# Altium PCB XMOS_TSBOARD.PcbDoc (part 3 of 3)
Units mil, origin at the board's own origin, x right, y up, seen from the top; angles counter-clockwise.
Board outline 7212.32 x 3175.44 mil, 4 copper layers (Top Layer, Ground Layer, Power Layer, Bottom Layer), stack 62.502 mil thick; 361 components, 214 nets, 1129 pads, 632 vias.
Unrouted connection lines stored in the file: 5.
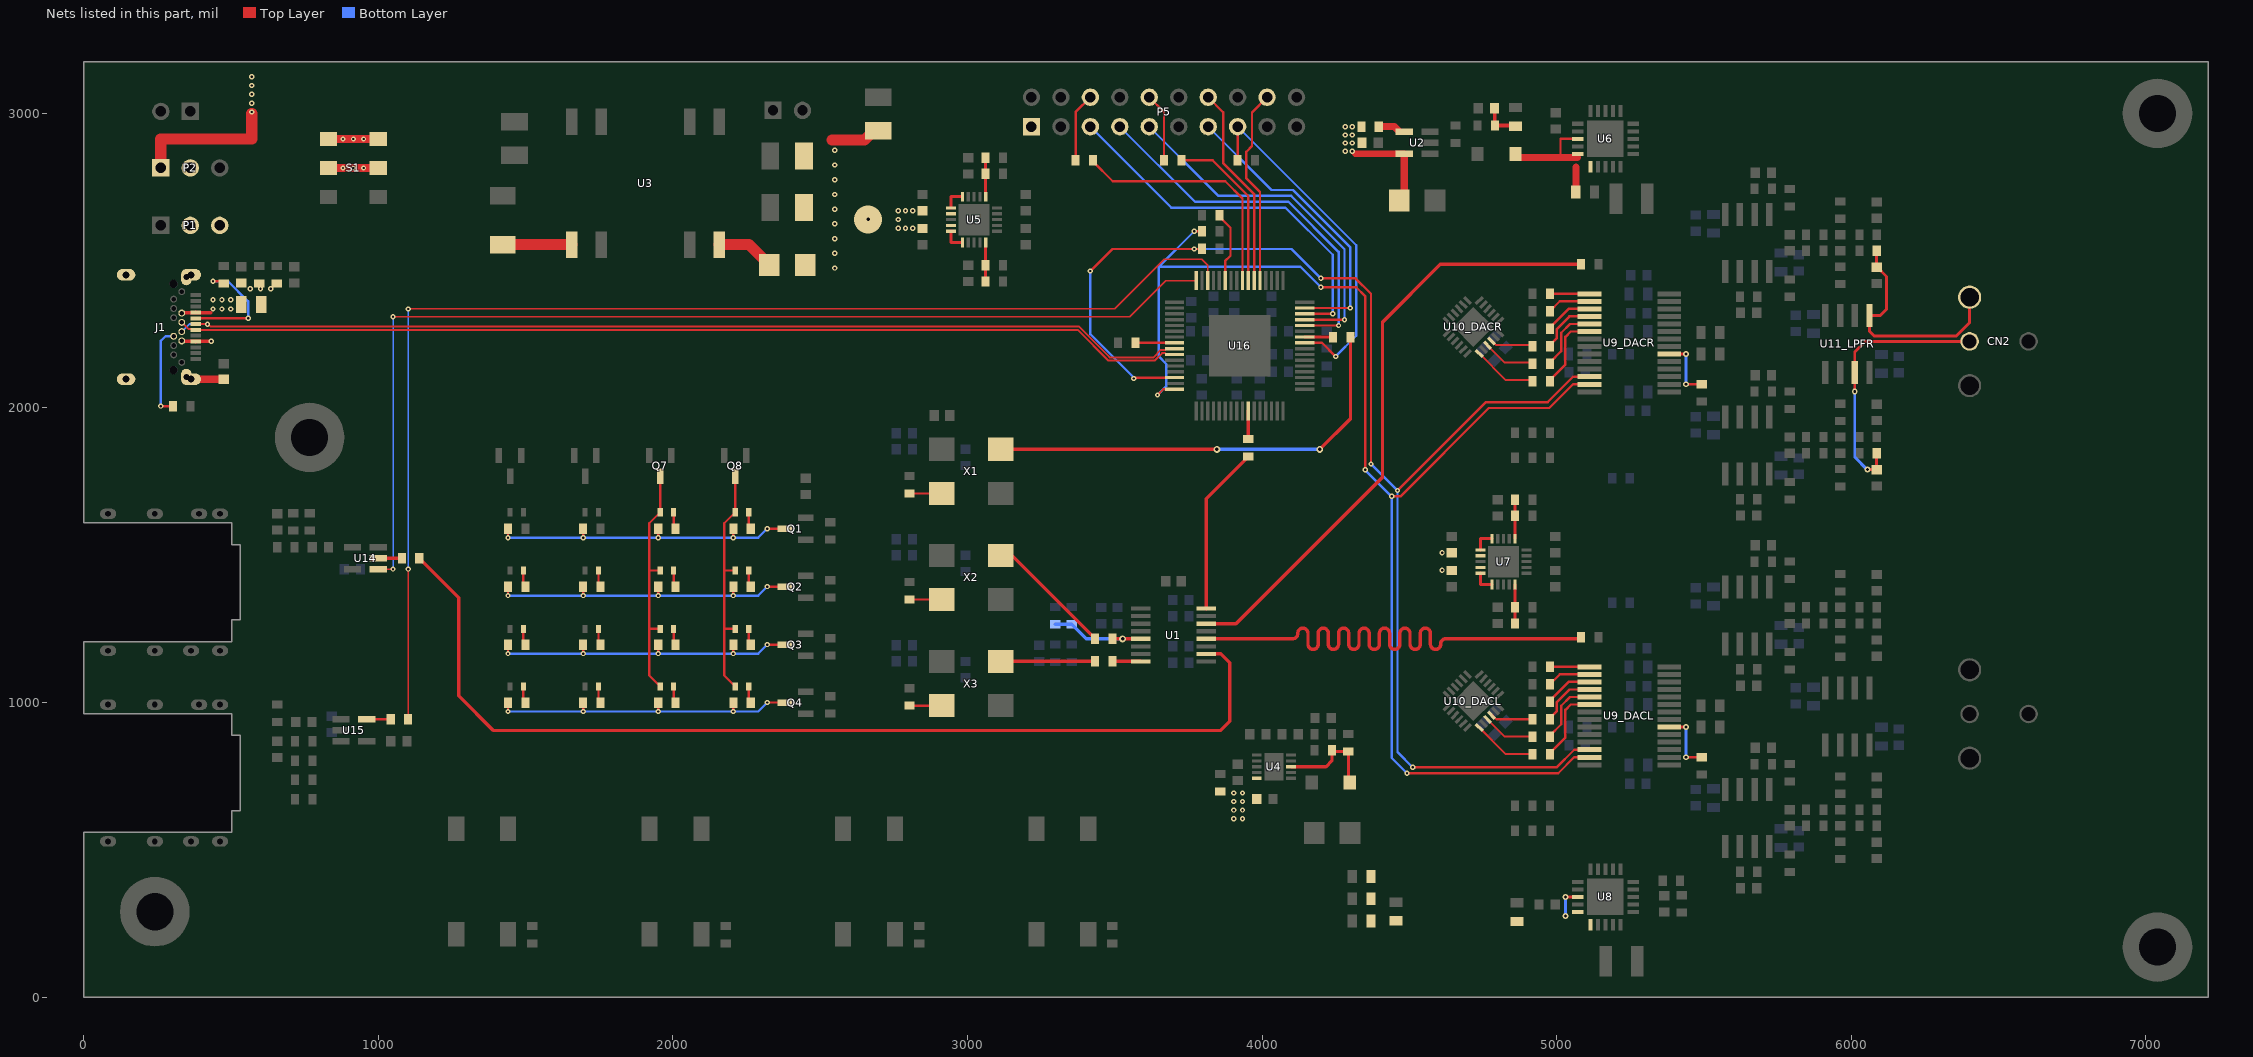
[diagram p5: the nets of this part, all layers, seen from the top]

## Via types
v1: diameter 18, hole 8, Top Layer to Bottom Layer, tented both sides, 573 vias
v2: diameter 20, hole 10, Top Layer to Bottom Layer, tented both sides, 28 vias
v3: diameter 0/95 (per signal layer), hole 12, Top Layer to Bottom Layer, tented top, 7 vias

## Nets (pads, with @x,y where several pads share a name; then routed paths per layer and width w, separated by ;. In a path a pad name is that pad's centre, name@x,y a point inside that pad or via, vN(x,y) a via of type N, cw(c..) or ccw(c..) an arc to the next point about the centre after c; other vN are vias at no path point) (continued)
NetD5_1: D5.1 D9.1 D13.1 D17.1 Q7.3 | length 819.7
  Top Layer w8: D17.1@1957.02,1054.65 1919.52,1092.15 1919.52,1250 ; D13.1@1957.02,1250.02 1919.54,1250.02 ; D9.1@1957.02,1448.27 1919.52,1448.27 ; Q7.3@1957.02,1768.25 D5.1@1957.02,1646.3 1919.52,1608.8 1919.52,1448.27 ; 1919.52,1250 1919.52,1448.27
NetD5_2: D5.2 R35.2 | length 49
  Top Layer w8: R35.2@2002.6,1597.33 D5.2@2002.6,1646.3
NetD6_1: D6.1 D10.1 D14.1 D18.1 Q8.3 | length 819.7
  Top Layer w8: 2174.5,1250.02 D14.1@2211.98,1250.02 ; D18.1@2211.98,1054.65 2174.48,1092.15 2174.48,1250 2174.48,1448.27 ; D10.1@2211.98,1448.27 2174.48,1448.27 ; Q8.3@2211.98,1768.25 D6.1@2211.98,1646.3 2174.48,1608.8 2174.48,1448.27
NetD6_2: D6.2 R36.2 | length 49
  Top Layer w8: R36.2@2257.6,1597.33 D6.2@2257.6,1646.3
NetD7_2: D7.2 R39.2 | length 49
  Top Layer w8: R39.2@1492.6,1400.48 D7.2@1492.6,1449.45
NetD8_2: D8.2 R40.2 | length 49
  Top Layer w8: R40.2@1747.6,1400.48 D8.2@1747.6,1449.45
NetD9_2: D9.2 R41.2 | length 49
  Top Layer w8: R41.2@2002.6,1400.48 D9.2@2002.6,1449.45
NetD10_2: D10.2 R42.2 | length 49
  Top Layer w8: R42.2@2257.6,1400.48 D10.2@2257.6,1449.45
NetD11_2: D11.2 R46.2 | length 49
  Top Layer w8: R46.2@1492.6,1203.63 D11.2@1492.6,1252.6
NetD12_2: D12.2 R47.2 | length 49
  Top Layer w8: R47.2@1747.6,1203.63 D12.2@1747.6,1252.6
NetD13_2: D13.2 R48.2 | length 49
  Top Layer w8: R48.2@2002.6,1203.63 D13.2@2002.6,1252.6
NetD14_2: D14.2 R49.2 | length 49
  Top Layer w8: R49.2@2257.6,1203.63 D14.2@2257.6,1252.6
NetD15_2: D15.2 R51.2 | length 49
  Top Layer w8: R51.2@1492.6,1006.78 D15.2@1492.6,1055.75
NetD16_2: D16.2 R52.2 | length 49
  Top Layer w8: R52.2@1747.6,1006.78 D16.2@1747.6,1055.75
NetD17_2: D17.2 R53.2 | length 49
  Top Layer w8: R53.2@2002.6,1006.78 D17.2@2002.6,1055.75
NetD18_2: D18.2 R54.2 | length 49
  Top Layer w8: R54.2@2257.6,1006.78 D18.2@2257.6,1055.75
NetFB4_2: FB4.2 J1.A4 J1.A9 J1.B4 J1.B9 | length 200.6
  Top Layer w12: J1.B4@332.68,2227.72 333.76,2226.64 379.23,2226.64 J1.A9@380.12,2225.75 381.01,2226.64 v1(432.32,2226.64) ; J1.B9@332.68,2322.2 333.76,2323.28 379.23,2323.28 J1.A4@380.12,2324.17 381.01,2323.28 431.24,2323.28
  other v1: 439,2336.22 469,2336.22 499,2336.22 439,2367 469,2367 499,2367
NetFB5_2: FB5.2 J1.SH1 J1.SH2 J1.SH3 J1.SH4 J1.SH5 J1.SH6 | length 110.7
  Top Layer w26: J1.SH6@364.37,2097.8 FB5.2@475.12,2097.8
NetJ1_A5: J1.A5 R98.1 | length 421.8
  Top Layer w8: J1.A5@380.12,2304.49 v1(558.03,2304.49) ; v1(439,2430) 467.72,2430 R98.1@475.12,2422.6
  Bottom Layer w8: v1(439,2430) 490,2430 558.03,2361.97 v1(558.03,2304.49)
NetJ1_B5: J1.B5 R99.1 | length 312.8
  Top Layer w8: v1(261.61,2006.46) R99.1@303.15,2006.46
  Bottom Layer w8: v1(261.61,2006.46) 261.61,2227.72 277.36,2243.46 J1.B5@305.12,2243.46
NetL2_1: L2.1 U3.1 | length 234.6
  Top Layer w38: L2.1@1422.36,2554.59 U3.1@1656.94,2554.59
NetL3_2: L3.2 U3.6 | length 200.4
  Top Layer w38: U3.6@2156.94,2554.59 2257.74,2554.59 2308.92,2503.4 2310.89,2503.4 2327.32,2486.97 L3.2@2327.32,2485
NetP1_2: P1.2 S1.2 | length 169.3
  Top Layer w26: S1.2@830.79,2815 S1.2@1000.08,2815
  other v1: 880,2815 915.43,2815 950,2815
NetP2_2: P2.2 S1.3 | length 169.3
  Top Layer w26: S1.3@830.79,2913.43 S1.3@1000.08,2913.43
  other v1: 880,2913.43 915.43,2913.43 950,2913.43
NetQ1_3: Q1.3 R33.1 R34.1 R35.1 R36.1 | length 1075.4
  Top Layer w8: v1(1440.32,1560) R33.1@1440.32,1590.55 ; v1(1695.32,1560) R34.1@1695.32,1590.55 ; v1(1950.32,1560) R35.1@1950.32,1590.55 ; v1(2205.32,1560) R36.1@2205.32,1590.55 ; v1(2320.55,1590.55) Q1.3@2380.85,1590.55
  Bottom Layer w8: v1(1440.32,1560) 2290,1560 v1(2320.55,1590.55)
NetQ2_3: Q2.3 R39.1 R40.1 R41.1 R42.1 | length 1075.4
  Top Layer w8: v1(1440.32,1363.15) R39.1@1440.32,1393.7 ; v1(1695.32,1363.15) R40.1@1695.32,1393.7 ; v1(1950.32,1363.15) R41.1@1950.32,1393.7 ; v1(2205.32,1363.15) R42.1@2205.32,1393.7 ; v1(2320.55,1393.7) Q2.3@2380.85,1393.7
  Bottom Layer w8: v1(1440.32,1363.15) 2290,1363.15 v1(2320.55,1393.7)
NetQ3_3: Q3.3 R46.1 R47.1 R48.1 R49.1 | length 1075.4
  Top Layer w8: v1(1440.32,1166.3) R46.1@1440.32,1196.85 ; v1(1695.32,1166.3) R47.1@1695.32,1196.85 ; v1(1950.32,1166.3) R48.1@1950.32,1196.85 ; v1(2205.32,1166.3) R49.1@2205.32,1196.85 ; v1(2320.55,1196.85) Q3.3@2380.85,1196.85
  Bottom Layer w8: v1(1440.32,1166.3) 2290,1166.3 v1(2320.55,1196.85)
NetQ4_3: Q4.3 R51.1 R52.1 R53.1 R54.1 | length 1075.4
  Top Layer w8: v1(1440.32,969.45) R51.1@1440.32,1000 ; v1(1695.32,969.45) R52.1@1695.32,1000 ; v1(1950.32,969.45) R53.1@1950.32,1000 ; v1(2205.32,969.45) R54.1@2205.32,1000 ; v1(2320.55,1000) Q4.3@2380.85,1000
  Bottom Layer w8: v1(1440.32,969.45) 2290,969.45 v1(2320.55,1000)
NetR1_1: R1.1 X1.1 | length 110
  Top Layer w8: R1.1@2803.35,1709.7 X1.1@2913.35,1709.7
NetR2_2: R2.2 X1.3 | length 1507.1
  Top Layer w11.55: X1.3@3113.35,1859.7 v7(3847,1859.7) ; v7(4196,1859.7) 4300.35,1964.06 R2.2@4300.35,2240.9
  Bottom Layer w11.55: v7(3847,1859.7) v7(4196,1859.7)
NetR3_1: R3.1 X2.1 | length 110
  Top Layer w8: R3.1@2803.35,1349.7 X2.1@2913.35,1349.7
NetR4_2: R4.2 R8.1 R11.1 U1.5 | length 344.3
  Top Layer w11.55: R8.1@3492.46,1216.47 v7(3526.53,1216.47) U1.5@3588.46,1216.47
  Bottom Layer w11.55: R4.2@3298.66,1265.69 R11.1@3353.66,1265.69 3402.87,1216.47 v7(3526.53,1216.47)
NetR6_2: R6.2 U1.16 | length 575.5
  Top Layer w11.55: U1.16@3810.46,1318.83 3810.46,1691.95 R6.2@3953.58,1835.07
NetR7_2: R7.2 U1.14 | length 2086.1
  Top Layer w11.55: U1.14@3810.46,1267.65 3911.65,1267.65 4409,1765 4409,2291.56 4605.12,2487.68 R7.2@5082.8,2487.68
NetR8_2: R8.2 X2.3 | length 437.4
  Top Layer w11.55: X2.3@3113.35,1499.7 3150.18,1499.7 R8.2@3433.4,1216.47
NetR9_2: R9.2 U1.12 | length 2059.3
  Top Layer w11.55: U1.12@3810.46,1216.47 4104,1216.47 ccw(c4104,1233.8) 4121.33,1233.8 4121.33,1235.15 cw(c4138.65,1235.15) 4138.65,1252.47 cw(c4138.65,1235.15) 4155.98,1235.15 4155.98,1216.47 4155.98,1197.8 ccw(c4173.3,1197.8) 4173.3,1180.47 ccw(c4173.3,1197.8) 4190.62,1197.8 4190.62,1216.47 4190.62,1235.15 cw(c4207.95,1235.15) 4207.95,1252.47 cw(c4207.95,1235.15) 4225.28,1235.15 4225.27,1216.47 4225.27,1197.8 ccw(c4242.6,1197.8) 4242.6,1180.47 ccw(c4242.6,1197.8) 4259.93,1197.8 4259.92,1216.47 4259.92,1235.15 cw(c4277.25,1235.15) 4277.25,1252.47 cw(c4277.25,1235.15) 4294.58,1235.15 4294.58,1216.47 4294.58,1197.8 ccw(c4311.9,1197.8) 4311.9,1180.47 ccw(c4311.9,1197.8) 4329.23,1197.8 4329.23,1216.47 4329.23,1235.15 cw(c4346.55,1235.15) 4346.55,1252.47 cw(c4346.55,1235.15) 4363.88,1235.15 4363.88,1216.47 4363.88,1197.8 ccw(c4381.2,1197.8) 4381.2,1180.47 ccw(c4381.2,1197.8) 4398.53,1197.8 4398.52,1216.47 4398.52,1235.15 cw(c4415.85,1235.15) 4415.85,1252.47 cw(c4415.85,1235.15) 4433.18,1235.15 4433.17,1216.47 4433.17,1197.8 ccw(c4450.5,1197.8) 4450.5,1180.47 ccw(c4450.5,1197.8) 4467.83,1197.8 4467.83,1216.47 4467.83,1235.15 cw(c4485.15,1235.15) 4485.15,1252.47 cw(c4485.15,1235.15) 4502.48,1235.15 4502.48,1216.47 4502.48,1197.8 ccw(c4519.8,1197.8) 4519.8,1180.47 ccw(c4519.8,1197.8) 4537.12,1197.8 4537.12,1216.47 4537.12,1235.15 cw(c4554.45,1235.15) 4554.45,1252.47 cw(c4554.45,1235.15) 4571.78,1235.15 4571.77,1216.47 4571.77,1197.8 ccw(c4589.1,1197.8) 4589.1,1180.47 ccw(c4589.1,1197.8) 4606.43,1197.8 4606.42,1199.15 cw(c4623.75,1199.15) 4623.75,1216.47 4654,1216.47 5077.93,1216.47 R9.2@5082.8,1221.34
NetR10_2: R10.2 U1.10 | length 3492.6
  Top Layer w11.55: R10.2@1139.06,1490.5 1273,1356.56 1273,1023 1391,905 3858.71,905 3890,936.29 3890,1135 3859.71,1165.29 U1.10@3810.46,1165.29
NetR13_1: R13.1 X3.1 | length 110
  Top Layer w8: R13.1@2803.35,989.7 X3.1@2913.35,989.7
NetR14_1: R14.1 U1.8 | length 96
  Top Layer w11.55: R14.1@3492.46,1139.7 U1.8@3588.46,1139.7
NetR14_2: R14.2 X3.3 | length 320.1
  Top Layer w11.55: X3.3@3113.35,1139.7 R14.2@3433.4,1139.7
NetR15_2: R15.2 U2.4 | length 74.9
  Top Layer w24: R15.2@4396.38,2955 4449.25,2955 U2.4@4464.8,2939.44
NetR22_1: R22.1 R23.1 U5.16 | length 132.4
  Top Layer w10: U5.16@3061.89,2717.31 R23.1@3061.88,2849.68
NetR24_1: R24.1 R25.1 U5.10 | length 132.4
  Top Layer w10: R25.1@3061.89,2429.44 U5.10@3061.89,2561.8
NetR26_1: R26.1 R27.1 U7.16 | length 132.4
  Top Layer w10: U7.16@4859.21,1556.31 R27.1@4859.2,1688.68
NetR29_1: R29.1 R31.1 U7.10 | length 132.4
  Top Layer w10: R31.1@4859.21,1268.44 U7.10@4859.21,1400.8
NetR56_DACL_2: R56_DACL.2 U9_DACL.1 | length 135
  Top Layer w8: R56_DACL.2@4977.32,1121.34 U9_DACL.1@5112.32,1121.34
NetR56_DACR_2: R56_DACR.2 U9_DACR.1 | length 135
  Top Layer w8: R56_DACR.2@4977.32,2387.68 U9_DACR.1@5112.32,2387.68
NetR57_DACL_2: R57_DACL.2 U9_DACL.2 | length 149
  Top Layer w8: R57_DACL.2@4977.32,1062.02 5011.06,1095.75 U9_DACL.2@5112.32,1095.75
NetR57_DACR_2: R57_DACR.2 U9_DACR.2 | length 149
  Top Layer w8: R57_DACR.2@4977.32,2328.35 5011.06,2362.09 U9_DACR.2@5112.32,2362.09
NetR58_DACL_2: R58_DACL.2 U9_DACL.3 | length 161.3
  Top Layer w8: R58_DACL.2@4977.32,1006.63 5040.85,1070.16 U9_DACL.3@5112.32,1070.16
NetR58_DACR_2: R58_DACR.2 U9_DACR.3 | length 161.3
  Top Layer w8: R58_DACR.2@4977.32,2272.97 5040.85,2336.5 U9_DACR.3@5112.32,2336.5
NetR59_DACL_2: R59_DACL.2 U9_DACL.4 | length 193.5
  Top Layer w8: R59_DACL.2@4977.32,947.31 5001,970.98 5001,1002 5043.57,1044.57 U9_DACL.4@5112.32,1044.57
NetR59_DACR_2: R59_DACR.2 U9_DACR.4 | length 193.5
  Top Layer w8: R59_DACR.2@4977.32,2213.65 5001,2237.32 5001,2268.34 5043.57,2310.91 U9_DACR.4@5112.32,2310.91
NetR60_DACL_2: R60_DACL.2 U9_DACL.5 | length 225.8
  Top Layer w8: R60_DACL.2@4977.32,887.98 5016,926.66 5016,989 5045.98,1018.98 U9_DACL.5@5112.32,1018.98
NetR60_DACR_2: R60_DACR.2 U9_DACR.5 | length 225.8
  Top Layer w8: R60_DACR.2@4977.32,2154.32 5016,2193 5016,2255.34 5045.98,2285.31 U9_DACR.5@5112.32,2285.31
NetR61_DACL_2: R61_DACL.2 U9_DACL.6 | length 258.1
  Top Layer w8: R61_DACL.2@4977.32,828.66 5030,881.34 5030,975 5048.39,993.39 U9_DACL.6@5112.32,993.39
NetR61_DACR_2: R61_DACR.2 U9_DACR.6 | length 258.1
  Top Layer w8: R61_DACR.2@4977.32,2095 5030,2147.68 5030,2241.34 5048.39,2259.72 U9_DACR.6@5112.32,2259.72
NetR62_DACL_1: R62_DACL.1 U9_DACL.20 | length 212.4
  Top Layer w10: U9_DACL.20@5382.32,916.61 v2(5440,916.61) ; v2(5440,814.25) R62_DACL.1@5492.32,814.25
  Bottom Layer w10: v2(5440,814.25) v2(5440,916.61)
NetR62_DACR_1: R62_DACR.1 U9_DACR.20 | length 212.4
  Top Layer w10: U9_DACR.20@5382.32,2182.95 v2(5440,2182.95) ; v2(5440,2080.59) R62_DACR.1@5492.32,2080.59
  Bottom Layer w10: v2(5440,2080.59) v2(5440,2182.95)
NetR92_2: R92.2 U15.5 | length 81.5
  Top Layer w10: U15.5@960.74,943.33 R92.2@1042.2,943.33
NetR100_2: R100.2 U16.24 | length 132.7
  Top Layer w8: R100.2@3570.13,2221.22 U16.24@3702.8,2221.22
NetR103_1: R103.1 U16.7 | length 564.4
  Top Layer w8: R103.1@3726.38,2840.79 3832.38,2840.79 3953.58,2719.59 U16.7@3953.58,2432.63
NetR104_1: R104.1 U16.8 | length 842
  Top Layer w8: R104.1@3426.38,2840.79 3426.38,2836.85 3493.23,2770 3875,2770 3933.89,2711.11 U16.8@3933.89,2432.63
NetR109_1: R109.1 U16.11 | length 244.7
  Top Layer w8: R109.1@3855.15,2654.05 3855.15,2650.12 3893.05,2612.22 3893.05,2517 3874.84,2498.79 U16.11@3874.84,2432.63
ORI_5V: C17.2 C21.1 C22.1 C23.1 C30.2 C33.2 C36.2 C42.2 C45.2 L1.2 L3.1 P2.1 P5.1 R15.1 R21.1 U2.5 U4.5 U5.1 U5.2 U5.4 U5.5 U5.6 U5.20 U7.1 U7.2 U7.4 U7.5 U7.6 U7.20 | length 1295.2
  Top Layer w10: U5.5@2944.75,2600.19 2944.75,2561.8 U5.6@2983.13,2561.8 ; U5.1@2944.75,2678.93 2944.75,2717.31 U5.20@2983.13,2717.31 ; U7.5@4742.08,1439.19 4742.08,1400.8 U7.6@4780.45,1400.8 ; U7.1@4742.08,1517.93 4742.08,1556.31 U7.20@4780.45,1556.31
  Top Layer w22: 4317.32,2862.6 U2.5@4482.85,2862.6
  Top Layer w24: L1.2@4465.83,2705 4482.85,2722.02 U2.5@4482.85,2857.02
  Top Layer w38: P2.1@261.61,2815 261.61,2913.43 570,2913.43 v1@570,3000 ; 2540,2910 2650.82,2910 2681.82,2941 C23.1@2697.32,2941
  other v1: 3904,606 3934,606 3904,635 3934,635 3904,664 3934,664 3904,693 3934,693 4611.32,1449 4611.32,1509 2550,2475 2550,2525 2550,2575 2765,2610 2789.5,2610 2814,2610 2550,2625 2765,2640 2765,2670 2789.5,2670 2814,2670 2550,2675 2550,2725 2550,2775 2550,2825 4282.32,2872 4306.32,2872 2550,2875 4282.32,2899.5 4306.32,2899.5 4282.32,2927 4306.32,2927 4282.32,2954.5 4306.32,2954.5 570,3005 570,3035 570,3065 570,3095 570,3125
  other v3: 2663.12,2640
ORI_+12V: C18.2 C19.2 C38.2 D1.2 R16.2 U6.13 U6.15 U6.16 | length 545.4
  Top Layer w8: 5013.32,2851 5013.32,2913.78 U6.13@5071.36,2913.78
  Top Layer w12: C19.2@4788.94,3018.11 4789.92,3017.13 4789.92,2960.04 R16.2@4790.91,2959.06 C18.2@4860.85,2959.06
  Top Layer w24: D1.2@4860.85,2851 5013.32,2851 5071.36,2851 ; C38.2@5066.32,2733.78 5066.32,2818
ORI_-12V: C27.1 C28.2 C31.1 C32.2 C46.2 D2.1 R19.2 R20.2 U4.8 U8.13 U8.15 U8.16 | length 447.6
  Top Layer w11: U4.8@4098.27,782.32 4217.64,782.32 4237.32,802.01 R19.2@4237.32,837.64 ; R19.2@4241.26,833.7 R20.2@4293.27,833.7 4293.27,732.69 D2.1@4297.77,728.19 ; v2(5030,340) U8.13@5071.36,340
  Bottom Layer w11: v2(5030,276) v2(5030,340)
OUT0_LPFR: C77_LPFR.1 CN2.2 R72_LPFR.2 U11_LPFR.1 | length 782.7
  Top Layer w10: C77_LPFR.1@6086.85,2478.25 R72_LPFR.2@6086.85,2533.44 R72_LPFR.2@6086.85,2534.13 ; C77_LPFR.1@6088.82,2477.56 6120,2446.38 6120,2335 6099.5,2314.5 U11_LPFR.1@6062.32,2314.5 6062.32,2260.5 6077.82,2245 6357.33,2245 6402.33,2290 CN2.2@6402.33,2376.15
OUT1_LPFR: C79_LPFR.1 CN2.3 R76_LPFR.2 U11_LPFR.7 | length 909.8
  Top Layer w10: v2(6012.32,2056) U11_LPFR.7@6012.32,2120.5 6012.32,2190 6048.48,2226.15 CN2.3@6402.32,2226.15 ; v2(6055,1790.56) C79_LPFR.1@6086.85,1790.56 R76_LPFR.2@6086.85,1846.44
  Bottom Layer w10: v2(6012.32,2056) 6012.32,1833.24 v2(6055,1790.56)
PBCK_DACL: R61_DACL.1 U10_DACL.1 | length 218.2
  Top Layer w6.9: U10_DACL.1@4737.51,915.22 4828.01,824.72 R61_DACL.1@4918.27,824.72
PBCK_DACR: R61_DACR.1 U10_DACR.1 | length 218.2
  Top Layer w6.9: U10_DACR.1@4737.51,2185.22 4828.01,2094.72 R61_DACR.1@4918.27,2094.72
PDATA_DACL: R60_DACL.1 U10_DACL.3 | length 177.4
  Top Layer w6.9: U10_DACL.3@4765.35,943.06 4824.36,884.05 R60_DACL.1@4918.27,884.05
PDATA_DACR: R60_DACR.1 U10_DACR.3 | length 177.4
  Top Layer w6.9: U10_DACR.3@4765.35,2213.06 4824.36,2154.05 R60_DACR.1@4918.27,2154.05
PLL_CLK: R6.1 U16.42 | length 96
  Top Layer w11.55: R6.1@3953.58,1894.12 U16.42@3953.58,1990.13
PLRCK_DACL: R59_DACL.1 U10_DACL.4 | length 141.9
  Top Layer w6.9: U10_DACL.4@4781.98,956.98 4795.59,943.37 R59_DACL.1@4918.27,943.37
PLRCK_DACR: R59_DACR.1 U10_DACR.4 | length 141.9
  Top Layer w6.9: U10_DACR.4@4781.98,2226.98 4795.59,2213.37 R59_DACR.1@4918.27,2213.37
RST_N: P5.15 R106.2 U16.57 | length 1213.8
  Top Layer w8: R106.2@3917.32,2840.79 P5.15@3917.32,2955 ; U16.57@4145.3,2221.22 4203.78,2221.22 v1(4250,2175)
  Bottom Layer w8: P5.15@3917.32,2955 4320,2552.32 4320,2245 v1(4250,2175)
SCL: R107.2 U9_DACL.12 U9_DACR.12 U16.30 | length 4742.1
  Top Layer w8: v6(3417.32,2465) 3492.32,2540 v1(3770,2540) R107.2@3796.1,2540 ; v6(3565,2100) 3566.61,2101.61 3568.11,2103.11 U16.30@3702.8,2103.11 ; v1(4200,2440) 4317.68,2440 4370,2387.68 v1(4370,1810) ; v1(4460,1720) 4760,2020 4970.08,2020 5056.26,2106.18 U9_DACR.12@5112.32,2106.18 ; v1(4512.02,780) 5000,780 5059.84,839.84 U9_DACL.12@5112.32,839.84
  Bottom Layer w8: v6(3417.32,2465) 3417.32,2250.15 3565,2102.48 v6(3565,2100) ; v1(3770,2540) 4100,2540 v1(4200,2440) ; v1(4370,1810) v1(4460,1720) 4460,832.02 v1(4512.02,780)
SDA: R108.2 U9_DACL.13 U9_DACR.13 U16.32 | length 4612.8
  Top Layer w8: v6(3645,2044.33) 3664.55,2063.87 3702.66,2063.87 U16.32@3702.8,2063.74 ; v1(3770,2600) R108.2@3796.1,2600 ; v1(4200,2410) 4320,2410 4350,2380 v1(4350,1790) ; v1(4440,1700) 4470,1700 4770,2000 4975.32,2000 5055.91,2080.59 U9_DACR.13@5112.32,2080.59 ; v1(4492.22,760.2) 5005.48,760.2 5059.53,814.25 U9_DACL.13@5112.32,814.25
  Bottom Layer w8: v6(3645,2044.33) 3675,2074.33 3675,2149.38 3650,2174.38 3650,2480 ; v1(3770,2600) 3650,2480 ; v1(4200,2410) 4130,2480 3650,2480 ; v1(4350,1790) v1(4440,1700) 4440,812.42 v1(4492.22,760.2)
SPDIF_IN: R92.1 U16.14 | length 4237.5
  Top Layer w4.52: R92.1@1101.26,943.33 v1(1101.26,1453.1) ; v1(1101.26,2336.22) 3500.01,2336.22 3668.79,2505 3795,2505 3815.78,2484.22 U16.14@3815.78,2432.63
  Bottom Layer w4.52: v1(1101.26,1453.1) v1(1101.26,2336.22)
SPDIF_MCLK: R10.1 U14.2 | length 80.2
  Top Layer w11.55: U14.2@999.78,1490.5 R10.1@1080,1490.5
SPDIF_OUT: U14.1 U16.16 | length 3684.3
  Top Layer w4.52: U14.1@999.78,1453.1 v1(1050,1453.1) ; v1(1050,2310) 3551.27,2310 3673.89,2432.63 U16.16@3776.41,2432.63
  Bottom Layer w4.52: v1(1050,1453.1) v1(1050,2310)
TCK: P5.9 U16.61 | length 1208.7
  Top Layer w8: U16.61@4145.3,2299.96 v1(4280,2299.96)
  Bottom Layer w8: P5.9@3617.32,2955 3852.32,2720 4099,2720 4280,2539 v1(4280,2299.96)
TDI: P5.5 U16.62 | length 1297.9
  Top Layer w8: U16.62@4145.3,2319.64 v1(4240,2319.64)
  Bottom Layer w8: P5.5@3417.32,2955 3692.2,2680.12 4079.88,2680.12 4240,2520 v1(4240,2319.64)
TDO: P5.13 U16.63 | length 1012.9
  Top Layer w8: U16.63@4145.3,2339.33 v1(4300,2339.33)
  Bottom Layer w8: P5.13@3817.32,2955 4032.32,2740 4105,2740 4300,2545 v1(4300,2339.33)
TMS: P5.7 U16.60 | length 1283.1
  Top Layer w8: U16.60@4145.3,2280.27 v1(4260,2280.27)
  Bottom Layer w8: P5.7@3517.32,2955 3772.32,2700 4090,2700 4260,2530 v1(4260,2280.27)
USB_D_N: J1.A7 J1.B7 U16.26 | length 3435.9
  Top Layer w6.89: J1.B7@332.68,2290.71 354.82,2268.56 376.67,2268.56 J1.A7@380.12,2265.12 440,2265.12 3374.48,2265.12 3478.28,2161.32 3636.32,2161.32 3661.25,2186.25 3671.15,2186.25 3675.55,2181.85 U16.26@3702.8,2181.85
USB_D_P: J1.A6 J1.B6 U16.25 | length 3479.4
  Top Layer w6.89: J1.A6@380.12,2284.8 v1(420,2284.8) 423.01,2284.8 431.8,2276.01 3378.99,2276.01 3482.79,2172.21 3631.81,2172.21 3656.73,2197.14 3671.15,2197.14 3675.55,2201.53 U16.25@3702.8,2201.53
  Bottom Layer w6.89: J1.B6@332.68,2259.21 358.27,2284.8 v1(420,2284.8)
USB_VBUS: C96.2 FB4.1 P1.3 R101.1 R102.1
  other v1: 565,2405 600,2405 635,2405
XL_DN0: P5.14 U16.6 | length 687
  Top Layer w8: P5.14@3817.32,3055 3868,3004.32 3868,2831.43 3973.26,2726.17 U16.6@3973.26,2432.63
XL_DN1: P5.18 U16.5 | length 670.5
  Top Layer w8: U16.5@3992.95,2432.63 3992.95,2733.43 3947,2779.38 3947,2870 3966,2889 3966,3003.68 P5.18@4017.32,3055
XL_UP0: P5.10 R103.2 | length 234.9
  Top Layer w8: P5.10@3617.32,3055 3667.32,3005 R103.2@3667.32,2840.79
XL_UP1: P5.6 R104.2 | length 234.9
  Top Layer w8: R104.2@3367.32,2840.79 3367.32,3005 P5.6@3417.32,3055
XMOS_CLK: R2.1 U16.58 | length 96
  Top Layer w11.55: U16.58@4145.3,2240.9 R2.1@4241.3,2240.9
pads on no net: J1.A2 J1.A3 J1.A8 J1.A10 J1.A11 J1.B2 J1.B3 J1.B8 J1.B10 J1.B11 J1.None J2.5 J2.6 J3.5 J3.6 P5.2 P5.3 P5.11 P5.17 P5.19 S1.1 U3.7 U3.8 U3.12 U5.9 U5.17 U6.2 U6.4 U6.8 U6.10 U6.12 U7.9 U7.17 U10_DACL.24 U10_DACR.24 U16.12 U16.15 U16.17 U16.18 U16.19 U16.21 U16.33
copper on no net:
  other v8: 6752.32,811.16 6952.32,1111.16 6752.32,2076.15 6952.32,2376.15

## Polygon pours and split planes (outlines as drawn)
GND on Bottom Layer "GND_L04_P014" (solid, remove dead copper, pour order 14): 780,2540 780,2450 1860,2450 1860,2850 2270,2850 2270,2910 2380,2910 2380,3120 5370,3120 5370,2570 5195,2570 5195,610 5370,610 5370,50 50,50 50,540 560,540 560,980 50,980 50,1190 560,1190 560,1630 50,1630 50,1930 534.15,1930 526.24,2540
DC_GND on Bottom Layer "DC_GND_L04_P008" (solid, remove dead copper, pour order 8): 2350,3120 2350,2940 2240,2940 2240,2880 1830,2880 1830,2480 810,2480 810,2570 500,2570 500,1960 50,1960 50,3120
AGND on Bottom Layer "AGND_L04_P002" (solid, remove dead copper, pour order 2): 5400,3120 7160,3120 7160,50 5400,50 5400,661 5228,661 5228,2515 5400,2515
GND on Top Layer "GND_L01_P012" (solid, remove dead copper, pour order 12): 780,2540 780,2450 1860,2450 1860,2850 2270,2850 2270,2910 2380,2910 2380,3120 5370,3120 5370,2570 5180,2570 5180,610 5370,610 5370,50 50,50 50,540 560,540 560,980 50,980 50,1190 560,1190 560,1630 50,1630 50,1930 534.15,1930 526.24,2540
AGND on Top Layer "AGND_L01_P000" (solid, remove dead copper, pour order 0): 5400,3120 7160,3120 7160,50 5400,50 5400,661 5228,661 5228,2515 5400,2515
DC_GND on Top Layer "DC_GND_L01_P006" (solid, remove dead copper, pour order 6): 2350,3120 2350,2940 2240,2940 2240,2880 1830,2880 1830,2480 810,2480 810,2570 500,2570 500,1960 50,1960 50,3120
NetFB5_2 on Top Layer "NETFB5_2_L01_P004" (solid, remove dead copper, pour order 4): 364.37,2460 120,2460 120,2090 364.37,2090 364.37,2128.31 280,2128.31 280,2421.61 364.37,2421.61
GND on Ground Layer (split plane): 5369.93,2545.07 5217.32,2545.07 5214.38,2544.78 5211.55,2543.93 5208.95,2542.53 5206.66,2540.66 5204.79,2538.37 5203.4,2535.77 5202.54,2532.94 5202.25,2530 5202.25,645.44 5202.54,642.49 5203.4,639.67 5204.79,637.06 5206.66,634.78 5208.95,632.9 5211.55,631.51 5214.38,630.65 5217.32,630.36 5369.93,630.36 5369.93,20.1 20.1,20.1 20.1,538.85 502.32,538.85 506.24,539.23 510.01,540.38 513.49,542.23 516.53,544.73 519.03,547.78 520.89,551.25 522.03,555.02 522.42,558.94 522.42,612.67 531.5,612.67 535.42,613.05 539.19,614.2 542.66,616.05 545.71,618.55 548.21,621.6 550.06,625.07 551.21,628.84 551.59,632.76 551.59,888.67 551.21,892.59 550.06,896.36 548.21,899.83 545.71,902.88 542.66,905.38 539.19,907.24 535.42,908.38 531.5,908.77 522.07,908.77 522.07,962.49 521.68,966.41 520.54,970.18 518.68,973.65 516.18,976.7 513.13,979.2 509.66,981.05 505.89,982.2 501.97,982.58 20.1,982.58 20.1,1186.56 502.32,1186.56 506.24,1186.95 510.01,1188.09 513.49,1189.95 516.53,1192.45 519.03,1195.5 520.89,1198.97 522.03,1202.74 522.42,1206.66 522.42,1260.38 531.5,1260.38 535.42,1260.77 539.19,1261.91 542.66,1263.77 545.71,1266.27 548.21,1269.31 550.06,1272.79 551.21,1276.56 551.59,1280.48 551.59,1536.38 551.21,1540.31 550.06,1544.08 548.21,1547.55 545.71,1550.6 542.66,1553.09 539.19,1554.95 535.42,1556.1 531.5,1556.48 522.07,1556.48 522.07,1610.2 521.68,1614.12 520.54,1617.89 518.68,1621.37 516.18,1624.41 513.13,1626.91 509.66,1628.77 505.89,1629.91 501.97,1630.3 20.1,1630.3 20.1,3155.34 5369.93,3155.34
AGND on Ground Layer (split plane): 7192.23,1587.72 7192.23,20.1 5400.07,20.1 5400.07,240 5480,240 5480,450 5400.07,450 5400.07,645.44 5399.78,648.38 5398.93,651.2 5397.53,653.81 5395.66,656.09 5393.37,657.97 5390.77,659.36 5387.94,660.22 5385,660.51 5232.4,660.51 5232.4,2514.93 5385,2514.93 5387.94,2515.22 5390.77,2516.07 5393.37,2517.47 5395.66,2519.34 5397.53,2521.63 5398.93,2524.23 5399.78,2527.06 5400.07,2530 5400.07,3155.34 7192.23,3155.34
NetFB4_2 on Power Layer (split plane): 535.44,2425.82 535.44,2380 535.44,2197.56 419.52,2197.56 419.52,2541.74
USB_VBUS on Power Layer (split plane): 652.44,2387.56 550.56,2387.56 550.56,2428.96 550.31,2430.92 549.55,2432.74 548.35,2434.31 419.52,2563.13 419.52,2662.44 652.44,2662.44
ORI_5V on Power Layer (split plane): 256 vertices, not listed, extent 20.1,20.1 5224.93,3155.34
DC_5V on Power Layer (split plane): 302.44,2973.13 184.65,2855.35 183.45,2853.78 183.14,2853.03 182.69,2851.96 182.44,2850 182.44,2790 182.69,2788.04 183.14,2786.97 183.45,2786.22 184.65,2784.65 214.65,2754.65 302.44,2666.87 302.44,2567.56 20.1,2567.56 20.1,3155.34 302.44,3155.34
NetP1_2 on Power Layer (split plane): 1032.44,2677.56 411.96,2677.56 410,2677.31 408.18,2676.55 406.61,2675.35 405.41,2673.78 404.65,2671.96 404.39,2670 404.39,2567.56 317.56,2567.56 317.56,2670 317.31,2671.96 316.55,2673.78 315.35,2675.35 238.26,2752.44 660,2752.44 661.96,2752.69 663.03,2753.14 663.78,2753.45 665.35,2754.65 758.48,2847.78 1032.44,2847.78
NetP2_2 on Power Layer (split plane): 1032.44,2862.91 755.35,2862.91 753.39,2862.66 751.57,2861.9 750,2860.7 656.87,2767.56 223.13,2767.56 197.56,2793.13 197.56,2846.87 313.13,2962.44 1032.44,2962.44
3V3B on Power Layer (split plane): 5144.93,1493.63 5047.06,1493.63 5044.12,1493.34 5041.29,1492.48 5038.69,1491.09 5036.4,1489.22 5034.53,1486.93 5033.13,1484.33 5032.28,1481.5 5031.99,1478.56 5031.99,1350 5032.28,1347.06 5033.13,1344.23 5034.53,1341.63 5036.4,1339.34 5038.69,1337.47 5041.29,1336.07 5044.12,1335.22 5047.06,1334.93 5224.93,1334.93 5224.93,520 5224.93,415.13 4925.57,415.13 4807.56,533.13 4807.56,676.87 5005.35,874.65 5006.55,876.22 5007.31,878.04 5007.56,880 5007.56,1250 5007.31,1251.96 5006.55,1253.78 5005.35,1255.35 4882.56,1378.13 4882.56,1575 4882.34,1576.73 4882.31,1576.96 4881.55,1578.78 4880.35,1580.35 4807.56,1653.13 4807.56,1996.87 5053.13,2242.44 5144.93,2242.44
-12 on Power Layer (split plane): 7192.23,1587.72 7192.23,20.1 5255.07,20.1 5255.07,513.76 5630.66,889.34 5632.53,891.63 5633.93,894.23 5634.78,897.06 5635.07,900 5635.07,1000 5634.78,1002.94 5633.93,1005.77 5632.53,1008.37 5630.66,1010.66 5535.07,1106.24 5535.07,2080.76 5740,2285.68 5968.68,2057 5669.34,1757.66 5667.47,1755.37 5666.07,1752.77 5665.22,1749.94 5664.93,1747 5664.93,1100 5665.22,1097.06 5666.07,1094.23 5667.47,1091.63 5669.34,1089.34 5968.68,790 5649.34,470.66 5647.47,468.37 5646.07,465.77 5645.22,462.94 5644.93,460 5644.93,440 5645.22,437.06 5646.07,434.23 5647.47,431.63 5649.34,429.34 5709.34,369.34 5711.63,367.47 5714.23,366.07 5717.06,365.22 5720,364.93 5800,364.93 5802.94,365.22 5805.77,366.07 5808.37,367.47 5810.66,369.34 6130.66,689.34 6132.53,691.63 6133.93,694.23 6134.78,697.06 6135.07,700 6135.07,807 6134.78,809.94 6133.93,812.77 6132.53,815.37 6130.66,817.66 5805.07,1143.24 5805.07,1633.76 6130.66,1959.34 6132.53,1961.63 6133.93,1964.23 6134.78,1967.06 6135.07,1970 6135.07,2080 6134.78,2082.94 6133.93,2085.77 6132.53,2088.37 6130.66,2090.66 5515.07,2706.24 5515.07,3155.34 7192.23,3155.34
+12 on Power Layer (split plane): 5484.93,2700 5485.22,2697.06 5486.07,2694.23 5487.47,2691.63 5489.34,2689.34 6104.93,2073.76 6104.93,1976.24 5779.34,1650.66 5777.47,1648.37 5776.07,1645.77 5775.22,1642.94 5774.93,1640 5774.93,1137 5775.22,1134.06 5776.07,1131.23 5777.47,1128.63 5779.34,1126.34 6104.93,800.76 6104.93,706.24 5793.76,395.07 5726.24,395.07 5675.07,446.24 5675.07,453.76 6001.66,780.34 6003.53,782.63 6004.93,785.23 6005.78,788.06 6006.07,791 6005.78,793.94 6004.93,796.77 6003.53,799.37 6001.66,801.66 5999.37,803.53 5996.77,804.93 5996.23,805.09 5695.07,1106.24 5695.07,1740.76 5996.23,2041.91 5996.77,2042.07 5999.37,2043.47 6001.66,2045.34 6003.53,2047.63 6004.93,2050.23 6005.78,2053.06 6006.07,2056 6005.78,2058.94 6004.93,2061.77 6003.53,2064.37 6001.66,2066.66 5317.66,2750.66 5315.37,2752.53 5312.77,2753.93 5309.94,2754.78 5307,2755.07 5175.07,2755.07 5175.07,2824.93 5240,2824.93 5242.94,2825.22 5245.77,2826.07 5248.37,2827.47 5250.66,2829.34 5252.53,2831.63 5253.93,2834.23 5254.78,2837.06 5255.07,2840 5255.07,3155.34 5484.93,3155.34
NetC11_2 on Power Layer (split plane): 3836.59,1186.18 3786.87,1136.45 3559.25,1136.45 3507.56,1188.13 3507.56,1422.44 3836.59,1422.44
1V0 on Power Layer (split plane): 3814.65,2374.65 3816.22,2373.45 3818.04,2372.69 3820,2372.44 4016.87,2372.44 4082.44,2306.87 4082.44,2107.56 4057.56,2107.56 4057.56,2290 4057.31,2291.96 4056.55,2293.78 4055.35,2295.35 4005.35,2345.35 4003.78,2346.55 4003.03,2346.86 4001.96,2347.31 4000,2347.56 3810,2347.56 3808.04,2347.31 3806.97,2346.86 3806.22,2346.55 3804.65,2345.35 3789.65,2330.35 3788.45,2328.78 3788.14,2328.03 3787.69,2326.96 3787.44,2325 3787.44,2135 3787.69,2133.04 3788.14,2131.97 3788.45,2131.22 3789.65,2129.65 3839.65,2079.65 3841.22,2078.45 3843.04,2077.69 3845,2077.44 3932.44,2077.44 3932.44,2047.56 3823.13,2047.56 3762.56,2108.13 3762.56,2315 3762.31,2316.96 3761.86,2318.03 3761.55,2318.78 3760.35,2320.35 3435.35,2645.35 3433.78,2646.55 3433.03,2646.86 3431.96,2647.31 3430,2647.56 3257.56,2647.56 3257.56,2762.44 3426.87,2762.44
5V on Power Layer (split plane): 5718.68,2307 5509.34,2097.66 5507.47,2095.37 5506.07,2092.77 5505.22,2089.94 5504.93,2087 5504.93,1100 5505.22,1097.06 5506.07,1094.23 5507.47,1091.63 5509.34,1089.34 5604.93,993.76 5604.93,906.24 5255.07,556.39 5255.07,1350 5254.78,1352.94 5253.93,1355.77 5252.53,1358.37 5250.66,1360.66 5248.37,1362.53 5245.77,1363.93 5242.94,1364.78 5240,1365.07 5062.13,1365.07 5062.13,1463.49 5160,1463.49 5162.94,1463.78 5165.77,1464.63 5168.37,1466.03 5170.66,1467.9 5172.53,1470.19 5173.93,1472.79 5174.78,1475.62 5175.07,1478.56 5175.07,2724.93 5300.76,2724.93
3V3A on Power Layer (split plane): 5039.3,2250 4794.65,2005.35 4793.45,2003.78 4793.14,2003.03 4792.69,2001.96 4792.44,2000 4792.44,1657.56 4610,1657.56 4608.04,1657.31 4606.97,1656.86 4606.22,1656.55 4604.65,1655.35 4386.87,1437.56 2860,1437.56 2858.04,1437.31 2856.97,1436.86 2856.22,1436.55 2854.65,1435.35 2664.65,1245.35 2663.45,1243.78 2663.14,1243.03 2662.69,1241.96 2662.44,1240 2662.44,793.13 2576.87,707.56 2398.13,707.56 2312.56,793.13 2312.56,1601.87 3255.35,2544.65 3256.55,2546.22 3257.31,2548.04 3257.34,2548.27 3257.56,2550 3257.56,2632.44 3426.87,2632.44 3747.44,2311.87 3747.44,2105 3747.69,2103.04 3748.14,2101.97 3748.45,2101.22 3749.65,2099.65 3814.65,2034.65 3816.22,2033.45 3818.04,2032.69 3820,2032.44 3940,2032.44 3941.96,2032.69 3943.78,2033.45 3945.35,2034.65 3946.55,2036.22 3947.31,2038.04 3947.56,2040 3947.56,2085 3947.31,2086.96 3946.55,2088.78 3945.35,2090.35 3943.78,2091.55 3941.96,2092.31 3940,2092.56 3848.13,2092.56 3802.56,2138.13 3802.56,2321.87 3813.13,2332.44 3996.87,2332.44 4042.44,2286.87 4042.44,2100 4042.69,2098.04 4043.45,2096.22 4044.65,2094.65 4046.22,2093.45 4048.04,2092.69 4050,2092.44 4090,2092.44 4091.96,2092.69 4093.78,2093.45 4095.35,2094.65 4096.55,2096.22 4097.31,2098.04 4097.56,2100 4097.56,2310 4097.31,2311.96 4096.55,2313.78 4095.35,2315.35 4025.35,2385.35 4023.78,2386.55 4023.03,2386.86 4021.96,2387.31 4020,2387.56 3823.13,2387.56 3440.7,2770 3478.13,2807.44 4481.87,2807.44

## Other copper
Top Layer:
  rectangle net ORI_5V: 2410,2440 2580,2930
  rectangle net ORI_5V: 540,2980 600,3150
  rectangle net 3V3A: 2915,1950 2965,2025
  rectangle net 5V: 5532.85,916.61 5574.35,989.19
  rectangle net 5V: 5532.85,2182.95 5574.35,2255.53
  region net ORI_-12V: 5088.32,276.6 4370,276.6 4370,234.6 5088.32,234.6
  region net ORI_-12V: 4353.81,749 4353.81,234.6 4395.81,234.6 4395.81,749
  rectangle net ORI_-12V: 4297.77,707 4395.81,749
  region net ORI_5V: 3982.13,688 3953.58,688 3953.58,658 3982.13,658
  rectangle net ORI_5V: 3884,590 3954,709
  rectangle net ORI_5V: 3858.27,687 3885,709
  rectangle net ORI_5V: 3968,672.64 3996,742.95
  rectangle net GND: 4045.42,829 4054.48,843.35
  rectangle net GND: 4045.42,721.3 4054.48,736
  rectangle net GND: 4025.92,829 4034.97,843.35
  rectangle net GND: 4025.92,721.3 4034.97,736
  rectangle net ORI_+12V: 4840.35,2862.6 4881.35,2956.83
  rectangle net ORI_5V: 2749,2595 2832,2684.06
  rectangle net ORI_5V: 2847.51,2595 2961,2625
  rectangle net ORI_5V: 2847.51,2654.06 2961,2684.06
  region net 1V0: 3260,2684.06 3084.02,2684.06 3084.02,2654.06 3260,2654.06
  region net 3V3A: 3260,2625 3084.02,2625 3084.02,2595 3260,2595
  region net 1V0: 3342,2743.11 3259,2743.11 3259,2654.06 3342,2654.06
  region net 3V3A: 3342,2625 3259,2625 3259,2535.95 3342,2535.95
  region net 5V: 5139.32,1464 5056.32,1464 5056.32,1374.95 5139.32,1374.95
  region net 3V3B: 5139.32,1582.11 5056.32,1582.11 5056.32,1493.06 5139.32,1493.06
  region net 5V: 5057.32,1464 4881.34,1464 4881.34,1434 5057.32,1434
  region net 3V3B: 5057.32,1523.06 4881.34,1523.06 4881.34,1493.06 5057.32,1493.06
  rectangle net ORI_5V: 4595,1493.5 4758.32,1523.5
  rectangle net ORI_5V: 4595,1433.5 4758.32,1463.5
  region net GND: 4552.32,2989.5 4502.32,2989.5 4502.32,2954.5 4552.32,2954.5
  rectangle net GND: 4502.32,2810.5 4552.32,2845.5
  rectangle net GND: 4517.32,2845 4536.32,2955
  rectangle net GND: 4382.32,2886.59 4672.32,2913.41
  rectangle net ORI_5V: 4267.32,2851.6 4327.32,2972.8
  pour cut-out: 3776.41,2432.63 3675.55,2432.63 3552.92,2310 3534.86,2310 3534.86,2172.21 3631.81,2172.21 3656.73,2197.14 3776.55,2197.14
  pour cut-out: 3417.32,2465 3417.32,2402.32 3395,2380 3395,2336.22 3500.01,2336.22 3668.79,2505 3774.32,2505 3774.32,2540 3492.32,2540
  pour cut-out: 3534.86,2172.21 3534.86,2309.99 3389.59,2310 3389.59,2265.41 3482.79,2172.21
  pour cut-out: 3500,2225
  pour cut-out: 3540,1944 3540,1859.7 3779.7,1859.7 3835.47,1915.47 3835.47,2063.74 3664.41,2063.74 3630.67,2030 3481.84,2030 3481.84,1944.1
  pour cut-out: 3164.66,1859.62 3164.66,1485.04 3433.23,1216.47 3810.46,1216.47 3810.46,1691.95 3978.29,1859.78
  pour cut-out: 4210,2050.24 4210,1944 4216.06,1944 4268.8,1891.26 4166.67,1789.13 4070.4,1885.4 4070.4,2050.24
  pour cut-out: 4150,2550 4855,2550 4855,2487.68 4605.12,2487.68 4527.78,2410.34 4493,2445.12 4493,2449 4455,2487 4149.89,2487
  pour cut-out: 1050,2240.6 398.55,2240.6 398.55,2290.71 1050,2290.71
  pour cut-out: 3774.32,2679.77 3876.93,2679.77 3876.93,2514.28 3774.32,2514.28
  pour cut-out: 3528.26,1245.44 3528.26,1110.74 3166.66,1110.74 3166.66,1483.22 3404.44,1245.44
  pour cut-out: 4896.48,2417.06 4896.48,2391.34 4847.59,2391.34 4689.49,2233.24 4828.01,2094.72 4896.49,2094.72 4896.49,2062.06 4991.31,2062.06 4991.31,2417.06
  pour cut-out: 4896.48,1147.06 4896.48,1121.34 4847.59,1121.34 4689.49,963.24 4828.01,824.72 4896.49,824.72 4896.49,792.06 4991.31,792.06 4991.31,1147.06
  pour cut-out: 1522.86,2957.87 1401.86,2957.87 1401.86,2877.87 1522.86,2877.87
  pour cut-out: 2752.82,3040.96 2641.82,3040.96 2641.82,2960.96 2752.82,2960.96
  pour cut-out: 2350,2910.91 2350,2799.91 2430,2799.91 2430,2910.91
  pour cut-out: 2350,2736.21 2350,2625.21 2430,2625.21 2430,2736.21
  pour cut-out: 5063.82,2247.67 5063.82,2217.63 5042.06,2217.63 5042.06,2247.67
  pour cut-out: 5063.82,981.33 5063.82,951.3 5042.06,951.3 5042.06,981.33
  pour cut-out: 4241.3,2283.06 4241.3,2240.9 4337.94,2240.9 4337.94,2283.06
  pour cut-out: 3953.58,1813.29 4012,1813.29 4012,1894.12 3953.58,1894.12
  pour cut-out: 5061.02,1250.3 5180,1250.3 5180,1187.5 5061.02,1187.5
  pour cut-out: 5082.8,2517 5180,2517 5180,2458.69 5082.8,2458.69
  pour cut-out: 4300.35,2240.9 4300.35,1924.84 4350,1924.84 4350,2240.9
  pour cut-out: 3997.72,839.57 3997.72,725.08 4082.68,725.08 4082.68,839.57
  pour cut-out: 5155,2404.18 5155,2256.34 5175,2256.34 5175,2404.18
  pour cut-out: 5155,2121.34 5175,2121.34 5175,2038.5 5155,2038.5
  pour cut-out: 5155,855 5175,855 5175,772.16 5155,772.16
  pour cut-out: 5155,1137.84 5155,990 5175,990 5175,1137.84
  pour cut-out: 5160.82,1137.84
  pour cut-out: 1050,2393.06 3389.59,2393.06 3389.59,2240.6 1050,2240.6
  region net USB_VBUS: 515,2445 515,2395 580,2395 580,2315 625,2315 625,2395 677,2395 677,2445
  pour cut-out: 5385,450 5385,240 5480,240 5480,450
  pour cut-out: 2848.35,1904.7 2848.35,1688 3178.35,1688 3178.35,1904.7
  pour cut-out: 2848.35,1544.7 2848.35,1328 3178.35,1328 3178.35,1544.7
  pour cut-out: 3610.96,1330 3610.96,1128.77 3787.96,1128.77 3787.96,1330
  pour cut-out: 3723.05,2412.38 3723.05,2010.38 4125.05,2010.38 4125.05,2412.38
  pour cut-out: 2848.35,1184.7 2848.35,968 3178.35,968 3178.35,1184.7
  region net -12: 5251.84,70.48 5335,70.48 5335,296 5237.32,296 5237.32,268.22 5210,268.22 5210,210 5251.84,210
  region net ORI_-12V: 5088.32,295.22 5088.32,263.22 5121,263.22 5121,228.22 5054.32,228.22 5054.32,295.22
  region net NetD2_2: 4114,747.95 4114,737.95 4116,737.95 4149,704.95 4149,747.95
  region net +12: 5289.32,2660 5327.32,2660 5327.32,2923 5287.32,2923 5287.32,2871.1 5237.32,2871.1 5237.32,2842 5210.23,2842 5210.23,2771 5289.32,2771
  region net ORI_+12V: 5088.32,2869 5088.32,2837 5121.37,2837 5121.37,2802 5054.32,2802 5054.32,2869
  region net NetFB4_2: 522.32,2385 417.32,2385 417.32,2317.3 522.32,2317.3 522.32,2323.02
Bottom Layer:
  pour cut-out: 3168.31,1310.33 3537.18,1310.33 3537.18,1164.94 3168.31,1164.94
  pour cut-out: 4082,1587.32 4082,1187 3700,805 3671.4,805 3671.4,831.4 4044.6,1204.6 4044.6,1587.32
  pour cut-out: 4695.41,1586.91 4695.41,1299.59 4850.83,1144.17 4850.83,1050.33 4904.67,1050.33 4905,1139.59 4730,1314.59 4730,1586.91
  pour cut-out: 5385,450 5385,240 5480,240 5480,450
  pour cut-out: 2848.35,1904.7 2848.35,1688 3178.35,1688 3178.35,1904.7
  pour cut-out: 2848.35,1544.7 2848.35,1328 3178.35,1328 3178.35,1544.7
  pour cut-out: 2848.35,1184.7 2848.35,968 3178.35,968 3178.35,1184.7
Ground Layer (plane layer: these items are gaps in the copper):
  rectangle: 2740,2580 2840,2700
  rectangle: 3871.68,578.5 3961.68,718.5
  rectangle: 4250,2840 4340,2980
  rectangle: 3202.68,2521 3352.68,2761
  rectangle: 5000,1360 5150,1600
  rectangle: 5385,240 5480,450
  lines w30: 5385,0 5385,645.44 5217.32,645.44 5217.32,2530 5385,2530 5385,3175.44
Power Layer (plane layer: these items are gaps in the copper):
  rectangle: 2965.18,2584.56 3080.18,2699.56
  region: 4717.5,2196.18 4798.82,2277.5 4717.5,2358.82 4636.18,2277.5
  region: 4717.5,926.18 4798.82,1007.5 4717.5,1088.82 4636.18,1007.5
  rectangle: 4760,1420 4875,1535
  rectangle: 5090,2840 5240,2990
  rectangle: 5090,260 5240,407.56
  lines w15: 0,2560 310,2560 ; 220,2760 660,2760 755.35,2855.35 1040,2855.35 ; 310,3175.44 310,2970 ; 3500,1430 3500,1185 3554.15,1130.85 ; 3556.11,1128.89 3790,1128.89 3844.15,1183.04 3844.15,1430 ; 5160,2250 5050,2250 ; 5240,407.56 4922.44,407.56 4800,530 4800,680 5000,880 5000,1250 4875,1375 4875,1575 4800,1650 ; 310,2560 411.96,2560 ; 310,2560 310,2670 190,2790 190,2850 310,2970 ; 310,2970 1040,2970 1040,2855.35 ; 411.96,2560 411.96,2190 543,2190 543,2380 ; 411.96,2560 411.96,2670 660,2670 ; 411.96,2560 543,2428.96 543,2380 ; 543,2380 660,2380 660,2670 ; 660,2670 1040,2670 1040,2855.35 ; 3250,2640 3250,2550 2305,1605 2305,790 2395,700 2465,700 2580,700 2670,790 2670,1240 2860,1430 4390,1430 4610,1650 4800,1650 ; 3250,2640 3250,2770 3430,2770 ; 3250,2640 3430,2640 3755,2315 3755,2105 3820,2040 3940,2040 3940,2085 3845,2085 3795,2135 3795,2325 3810,2340 4000,2340 4050,2290 4050,2100 4090,2100 4090,2310 4020,2380 3820,2380 3430,2770 ; 3430,2770 3475,2815 4485,2815 5050,2250 ; 4800,1650 4800,2000 5050,2250
  lines w30: 5240,0 5240,520 ; 5240,3175.44 5240,2840 5160,2840 5160,2740 ; 5500,3175.44 5500,2700 6120,2080 6120,1970 5790,1640 5790,1137 6120,807 6120,700 5800,380 5720,380 5660,440 5660,460 5991,791 ; 5740,2307 5520,2087 5520,1100 5620,1000 5620,900 5240,520 ; 5989,791 5680,1100 5680,1747 5989,2056 ; 5991,2056 5307,2740 5160,2740 ; 5160,2740 5160,1478.56 5047.06,1478.56 5047.06,1350 5240,1350 5240,520

## Silkscreen, mask and mechanical layers (free items; w line width, h text height)
Top Overlay:
  lines w6: 4432.32,480 4922.32,480 ; 4432.32,735 4922.32,735 ; 4432.32,1746.34 4922.32,1746.34 ; 4432.32,2001.34 4922.32,2001.34 ; 4922.32,515 4922.32,480 ; 4922.32,600 4922.32,615 ; 4922.32,700 4922.32,735 ; 4922.32,1781.34 4922.32,1746.34 ; 4922.32,1866.34 4922.32,1881.34 ; 4922.32,1966.34 4922.32,2001.34 ; 5102.32,480 4922.32,480 ; 5102.32,735 4922.32,735 ; 5102.32,1746.34 4922.32,1746.34 ; 5102.32,2001.34 4922.32,2001.34
  lines w15: 1080,2815 1270,2815
  text "ISO_GND" at 2186.98,3060 h60
  text "+" at 140,2970 h60
  text "-" at 440,2970 h60
  text "ON" at 1110,2870 h70
  text "D" at 140,2780 h60
  text "ISO" at 540,2780 h60
  text "OFF" at 1080,2685 h70
  text "DC" at 80,2590 h60
  text "USB" at 540,2590 h60
  text "ADR0" at 4442.32,1886.34 h60
  text "1" at 4747.32,1886.34 h60
  text "0" at 5027.32,1886.34 h60
  text "ADR1" at 4442.32,1776.81 h60
  text "1" at 4747.32,1776.81 h60
  text "0" at 5027.32,1776.81 h60
  text "SPDIF OUT" at 610,1190 h60
  text "S1" at 1290,650.83 h60
  text "S2" at 1946.67,650.83 h60
  text "S3" at 2603.33,650.83 h60
  text "S4" at 3260,650.83 h60
  text "ADR0" at 4442.32,620 h60
  text "1" at 4747.32,620 h60
  text "0" at 5027.32,620 h60
  text "SPDIF IN" at 610,540 h60
  text "ADR1" at 4442.32,510.47 h60
  text "1" at 4747.32,510.47 h60
  text "0" at 5027.32,510.47 h60
Bottom Overlay:
  circle w10: c1094.45,450 r141.51
  region: 1009.45,445 1029.45,345 1039.45,345 1029.45,445
  region: 1064.45,445 1044.45,345 1034.45,345 1044.45,445
  region: 1054.45,445 1074.45,345 1084.45,345 1074.45,445
  region: 1109.45,445 1089.45,345 1079.45,345 1089.45,445
  region: 1089.45,445 1149.45,405 1159.45,405 1109.45,445
  region: 1104.45,455 1044.45,495 1034.45,495 1084.45,455
  region: 1084.45,455 1104.45,555 1114.45,555 1104.45,455
  region: 1139.45,455 1119.45,555 1109.45,555 1119.45,455
  region: 1129.45,455 1149.45,555 1159.45,555 1149.45,455
  region: 1184.45,455 1164.45,555 1154.45,555 1164.45,455
  text "TP7" at 5730,2860 h60
  text "TP2" at 3560,2550 h60
  text "TP1" at 2780,2475 h60
  text "TP3" at 3400,2270 h60
  text "TP4" at 5170,1800 h60
  text "TP5" at 5756.32,1510 h60
  text "MW LABS" at 2279.45,305 h60
  text "Designed by Gordon Mak" at 2279.45,230 h70
  text "TP6" at 5970,110 h60
Top Solder:
  text "XMOS_TS_BROAD / V0.1" at 5835,2895 h60
Mechanical 1:
  the board outline again, w6
Mechanical 17 (Mech17):
  drawing of 213 lines, arcs and shapes, not listed
  text "Layer" at 7523.4,3055 h80
  text "Name" at 7858.19,3055 h80
  text "Material" at 8505.63,3055 h80
  text "Thickness" at 9087.43,3055 h80
  text "Constant" at 9565.33,3055 h80
  text "Board Layer Stack" at 10007.64,3055 h80
  text "Top Overlay" at 7858.19,2895 h80
  text "Top Solder" at 7858.19,2735 h80
  text "Solder Resist" at 8505.63,2735 h80
  text "0.010mm" at 9087.43,2735 h80
  text "3.5" at 9565.33,2735 h80
  text "1" at 7523.4,2575 h80
  text "Top Layer" at 7858.19,2575 h80
  text "Copper" at 8505.63,2575 h80
  text "0.035mm" at 9087.43,2575 h80
  text "Dielectric 2" at 7858.19,2415 h80
  text "PP-022" at 8505.63,2415 h80
  text "0.208mm" at 9087.43,2415 h80
  text "4.5" at 9565.33,2415 h80
  text "2" at 7523.33,2255 h80
  text "Ground Layer" at 7858.19,2255 h80
  text "Copper" at 8505.63,2255 h80
  text "0.018mm" at 9087.43,2255 h80
  text "Dielectric 1" at 7858.19,2095 h80
  text "Core-042" at 8505.63,2095 h80
  text "1.065mm" at 9087.43,2095 h80
  text "4.6" at 9565.33,2095 h80
  text "3" at 7523.4,1935 h80
  text "Power Layer" at 7858.19,1935 h80
  text "Copper" at 8505.63,1935 h80
  text "0.018mm" at 9087.43,1935 h80
  text "Dielectric 3" at 7858.19,1775 h80
  text "PP-022" at 8505.63,1775 h80
  text "0.208mm" at 9087.43,1775 h80
  text "4.5" at 9565.33,1775 h80
  text "4" at 7523.4,1615 h80
  text "Bottom Layer" at 7858.19,1615 h80
  text "Copper" at 8505.63,1615 h80
  text "0.035mm" at 9087.43,1615 h80
  text "Bottom Solder" at 7858.19,1455 h80
  text "Solder Resist" at 8505.63,1455 h80
  text "0.010mm" at 9087.43,1455 h80
  text "3.5" at 9565.33,1455 h80
  text "Bottom Overlay" at 7858.19,1295 h80
  text "IMPEDANCE DETAIL" at 8946.26,972.05 h98.43
  text "IMPEDANCE TOLERANCE IS 10%" at 8926.57,834.25 h59.06
  text "SIGNAL LAYER" at 7509.25,637.4 h59.06
  text "REF PLANE" at 8336.02,637.4 h59.06
  text "TYPE" at 9162.8,637.4 h59.06
  text "TRACE" at 9871.46,637.4 h59.06
  text "TRACE" at 10383.27,637.4 h59.06
  text "IMPEDANCE" at 11013.19,637.4 h59.06
  text "LAYER(S)" at 8336.02,519.29 h59.06
  text "WIDTH" at 9871.46,519.29 h59.06
  text "SEPARATION" at 10383.27,519.29 h59.06
  text "(OHMS)" at 11013.19,519.29 h59.06
  text "Top Layer" at 7509.25,361.81 h59.06
  text "Ground Layer" at 8336.02,361.81 h59.06
  text "DIFFERENTIAL" at 9162.8,361.81 h59.06
  text "6.89mil" at 9871.46,361.81 h59.06
  text "4mil" at 10383.27,361.81 h59.06
  text "90" at 11013.19,361.81 h59.06
  text "Top Layer" at 7509.25,204.33 h59.06
  text "Ground Layer" at 8336.02,204.33 h59.06
  text "SINGLE ENDED" at 9162.8,204.33 h59.06
  text "11.55mil" at 9871.46,204.33 h59.06
  text "NA" at 10383.27,204.33 h59.06
  text "50" at 11013.19,204.33 h59.06
  text "Top Layer" at 7509.25,46.85 h59.06
  text "Ground Layer" at 8336.02,46.85 h59.06
  text "SINGLE ENDED" at 9162.8,46.85 h59.06
  text "11.55mil" at 9871.46,46.85 h59.06
  text "NA" at 10383.27,46.85 h59.06
  text "50" at 11013.19,46.85 h59.06
  text "Top Layer" at 7509.25,-110.63 h59.06
  text "Ground Layer" at 8336.02,-110.63 h59.06
  text "SINGLE ENDED" at 9162.8,-110.63 h59.06
  text "11.55mil" at 9871.46,-110.63 h59.06
  text "NA" at 10383.27,-110.63 h59.06
  text "50" at 11013.19,-110.63 h59.06

## Text inside footprints (layer, text, board x,y; h text height)
P5: Top Overlay "20" at 4177.32,3035 h50; Top Overlay "19" at 4177.32,2935 h50; Top Overlay "1" at 3117.32,2935 h50; Top Overlay "2" at 3117.32,3035 h50